# Altium PCB WiPy_Eval.PcbDoc (part 2 of 2) (continued)
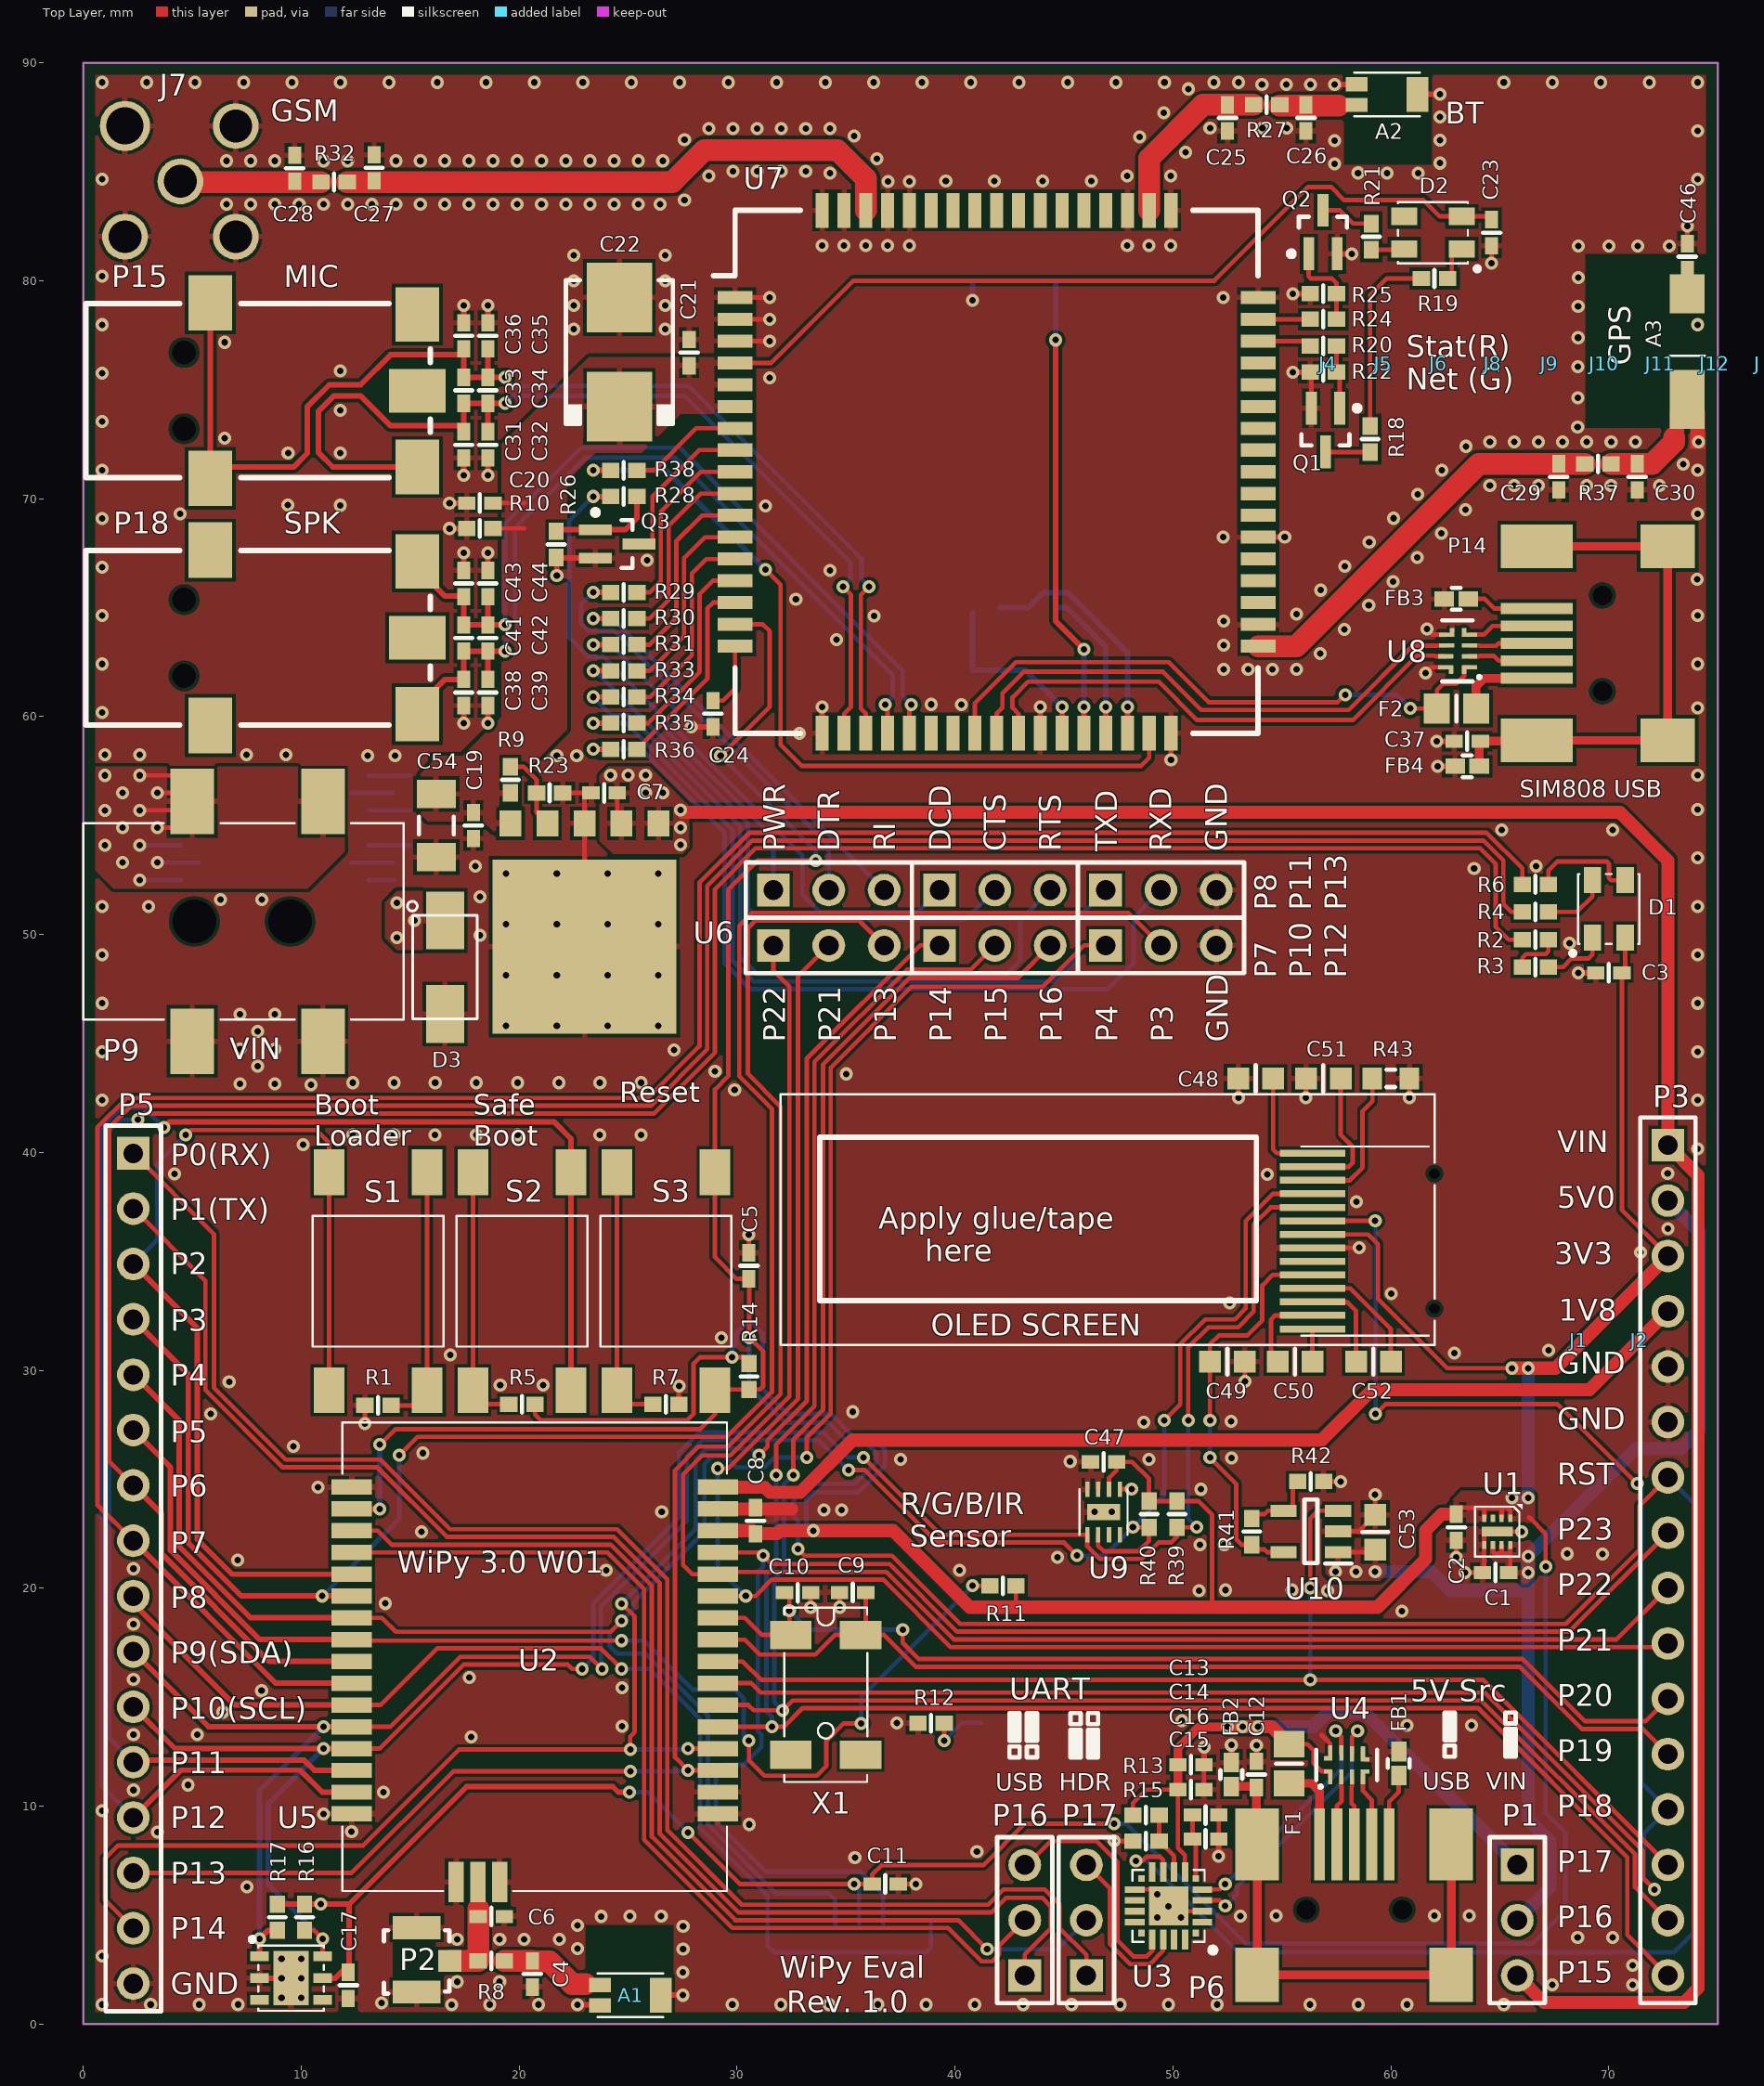
[diagram p0: Top Layer view]
## Nets (pads, with @x,y where several pads share a name; then routed paths per layer and width w, separated by ;. In a path a pad name is that pad's centre, name@x,y a point inside that pad or via, vN(x,y) a via of type N, cw(c..) or ccw(c..) an arc to the next point about the centre after c; other vN are vias at no path point) (continued)
NETLIGHT: R24.2 U7.50 | length 2.4
  Top Layer w0.203: U7.50@53.91,78.23 R24.2@56.3,78.23
NetP4_9: P4.9 R12.1 | length 2.9
  Top Layer w0.203: v1(39.5,13) R12.1@39.5,13.8
  Bottom Layer w0.203: v1(39.5,13) 40.325,13.825 P4.9@41.215,13.825
NetP6_4: P6.4 U4.4 | length 3.3
  Top Layer w0.203: U4.4@58.72,11.348 58.72,10.698 59.12,10.298 P6.4@59.12,8.258
NetP8_1: P8.1 R28.2 | length 23.6
  Top Layer w0.254: v1(23.4,70.1) R28.2@24.2,70.1
  Bottom Layer w0.203: v1(23.4,70.1) 22.3,69 22.3,63.617 23.171,62.746 23.854,62.746 26.8,59.8 26.8,59.312 31.67,54.441 P8.1@31.67,52.04
NetP8_2: P8.2 R29.2 | length 20.1
  Top Layer w0.254: v1(23.4,65.7) R29.2@24.2,65.7
  Bottom Layer w0.203: v1(23.4,65.7) 22.846,65.146 22.846,64.271 23.171,63.946 24.341,63.946 34.21,54.077 P8.2@34.21,52.04
NetP8_3: P8.3 R30.2 | length 19.3
  Top Layer w0.254: v1(23.4,64.5) R30.2@24.2,64.5
  Bottom Layer w0.203: v1(23.4,64.5) 24.29,64.5 P8.3@36.75,52.04
NetP11_1: P11.1 R31.2 | length 23.7
  Top Layer w0.254: v1(23.4,63.3) R31.2@24.2,63.3
  Bottom Layer w0.203: v1(23.4,63.3) 24.2,63.3 27.2,60.3 27.2,59.414 33,53.614 33,51.83 33.794,51.036 38.286,51.036 P11.1@39.29,52.04
NetP11_2: P11.2 R33.2 | length 26.8
  Top Layer w0.254: v1(23.4,62.1) R33.2@24.2,62.1
  Bottom Layer w0.203: v1(23.4,62.1) 23.509,62.1 30.5,55.109 30.5,51.185 31.005,50.68 40.47,50.68 P11.2@41.83,52.04
NetP11_3: P11.3 R34.2 | length 33.2
  Top Layer w0.254: v1(23.4,60.9) R34.2@24.2,60.9
  Bottom Layer w0.203: v1(23.4,60.9) 24.244,60.056 25.05,60.056 30.144,54.961 30.144,48.96 30.905,48.2 42.4,48.2 43,48.8 43,50.67 P11.3@44.37,52.04
NetP13_1: P13.1 R35.2 | length 35.5
  Top Layer w0.254: v1(23.4,59.7) R35.2@24.2,59.7
  Bottom Layer w0.203: v1(23.4,59.7) 24.903,59.7 29.789,54.814 29.789,48.813 30.757,47.844 44.544,47.844 45.6,48.9 45.6,50.73 P13.1@46.91,52.04
NetP13_2: P13.2 R36.2 | length 38
  Top Layer w0.254: v1(23.4,58.5) R36.2@24.2,58.5
  Bottom Layer w0.203: v1(23.4,58.5) 25.6,58.5 29.433,54.667 29.433,48.666 30.61,47.489 46.989,47.489 48.2,48.7 48.2,50.79 P13.2@49.45,52.04
NetP14_4: P14.4 U8.4 | length 3.3
  Top Layer w0.203: U8.4@63.61,63.76 64.26,63.76 64.66,64.16 P14.4@66.7,64.16
NetQ1_1: Q1.1 R20.1 R22.2 | length 2.9
  Top Layer w0.203: R20.1@57.5,77 R22.2@57.5,75.8 57.65,75.65 Q1.1@57.65,74.15
NetQ1_3: Q1.3 R18.2 | length 2.1
  Top Layer w0.203: Q1.3@57,72.15 57.02,72.13 R18.2@59.05,72.13
NetQ2_1: Q2.1 R24.1 R25.2 | length 4.1
  Top Layer w0.203: Q2.1@56.23,81.237 56.23,80.2 56.33,80.1 57.3,80.1 57.5,79.9 R25.2@57.5,79.4 R24.1@57.5,78.23
NetQ2_3: Q2.3 R21.2 | length 2.5
  Top Layer w0.203: Q2.3@56.88,83.237 57.65,83.237 58.267,82.62 R21.2@59.1,82.62
NetQ3_1: Q3.1 R26.1 R28.1 | length 4.9
  Top Layer w0.254: R26.1@21.7,68.5 21.77,68.57 24.87,68.57 25.4,69.1 R28.1@25.4,70.1
NetR1_1: R1.1 S1.1 | length 11.9
  Top Layer w0.203: R1.1@14.128,28.392 15.078,28.392 S1.1@15.778,29.092 S1.1@15.778,39.092
NetR2_1: R2.1 R3.2 | length 2.3
  Top Layer w0.203: R3.2@66.029,48.5 66.029,48.929 66.204,49.104 67.104,49.104 67.229,49.229 R2.1@67.229,49.764
NetR5_1: R5.1 S2.1 | length 11.9
  Top Layer w0.203: S2.1@17.882,39.092 S2.1@17.882,29.092 18.526,28.448 R5.1@19.532,28.448
NetR7_1: R7.1 S3.1 | length 11.9
  Top Layer w0.203: S3.1@24.486,39.092 S3.1@24.486,29.092 25.13,28.448 R7.1@26.136,28.448
NetR9_2: R9.2 R23.1 U6.4 | length 3.7
  Top Layer w0.203: R9.2@19.6,57.7 20.2,57.7 20.8,57.1 R23.1@20.8,56.5 20.8,55.6 U6.4@21.3,55.1
NetR13_1: R13.1 R15.2 U3.8 | length 2.9
  Top Layer w0.203: R13.1@49.363,9.598 R15.2@49.363,8.398 50.05,7.711 U3.8@50.05,6.981
NetR18_1: R18.1 R19.2 | length 8.7
  Top Layer w0.203: R18.1@59.05,73.33 59.05,79.35 59.8,80.1 R19.2@61.4,80.1
NetR38_1: R38.1 U7.7 | length 5.3
  Top Layer w0.203: R38.1@25.4,71.3 26.2,71.3 28.13,73.23 U7.7@29.91,73.23
NetR38_2: R38.2 U7.33 | length 37.5
  Top Layer w0.203: v1(31.3,66.748) 32,66.048 32,58.7 32.967,57.733 48.533,57.733 48.91,58.11 U7.33@48.91,59.23
  Top Layer w0.254: v1(23.4,71.3) R38.2@24.2,71.3
  Bottom Layer w0.254: v1(23.4,71.3) 26.748,71.3 v1(31.3,66.748)
NetR41_2: R41.2 R42.1 U10.4 | length 3.5
  Top Layer w0.203: R41.2@53.62,23.2 53.82,23.4 54.2,23.4 54.36,23.56 U10.4@55.08,23.56 55.5,23.56 55.5,24.68 R42.1@55.72,24.9
NetR43_1: "OLED SCREEN.12" R43.1 | length 6.8
  Top Layer w0.203: 56.4,38.72 58.12,38.72 58.7,39.3 58.7,41.9 59.15,42.35 R43.1@59.15,43.4
PWRKEY: Q3.3 U7.8 | length 6.8
  Top Layer w0.203: Q3.3@26.12,67.92 26.12,70.091 28.259,72.23 U7.8@29.91,72.23
R\E\S\E\T\: C5.2 P3.7 R14.1 S3.2 U2.2 U3.9 U7.16 | length 180.7
  Top Layer w0.203: v1(13.608,26.592) 14.316,27.3 28.3,27.3 28.986,27.986 S3.2@28.986,29.092 29.012,29.118 R14.1@30.546,29.118 31.045,29.118 31.2,29.273 31.2,30.859 v1(30.559,31.5) 30.559,34.185 C5.2@30.546,34.198 29.982,34.198 28.986,35.194 S3.2@28.986,39.092 28.986,42.886 29.6,43.5 29.6,52.055 30.945,53.4 v1(33.6,53.4) ; v1(29.25,58.202) 31.5,60.452 31.5,63.915 31.185,64.23 U7.16@29.91,64.23 ; v1(32.8,21.8) 33.1,21.5 37.109,21.5 40.242,18.367 68.024,18.367 71.4,21.743 71.4,23.78 P3.7@72.71,25.09 ; v1(48.3,7.5) 48.61,7.5 48.795,7.685 49.385,7.685 49.4,7.7 49.55,7.55 U3.9@49.55,6.981
  Top Layer w0.254: U2.2@12.315,23.645 v1(13.608,23.645)
  Bottom Layer w0.203: v1(29.25,58.202) 33.6,53.852 v1(33.6,53.4) ; v1(30.559,31.5) 30.559,29.241 32.2,27.6 34.192,27.6 35.2,26.592 36.008,26.592 36.4,26.2 36.4,25.8 35.4,24.8 33.346,24.8 32.6,24.054 32.6,23.3 32.8,23.1 v1(32.8,21.8) ; v1(48.3,7.5) 48.8,7.5 53,3.3 73,3.3 74.3,4.6 74.3,23.5 P3.7@72.71,25.09
  Bottom Layer w0.254: v1(13.608,23.645) v1(13.608,26.592)
RI: R30.1 U7.10 | length 8.9
  Top Layer w0.203: R30.1@25.4,64.5 26,64.5 26.86,65.36 26.86,68.76 28.33,70.23 U7.10@29.91,70.23
RTS: R34.1 U7.13 | length 9.3
  Top Layer w0.203: R34.1@25.4,60.9 26.004,60.9 27.926,62.822 27.926,66.571 28.585,67.23 U7.13@29.91,67.23
RXD: R36.1 U7.15 | length 9.2
  Top Layer w0.203: R36.1@25.4,58.5 28.638,61.738 28.638,64.96 28.908,65.23 U7.15@29.91,65.23
SAFE_BOOT: P5.13 S2.2 U2.15 | length 77.9
  Top Layer w0.254: P5.13@2.3,9.48 4.477,11.657 9.956,11.657 10.968,10.645 U2.15@12.315,10.645 ; v1(3.7,41.152) 3.956,41.408 21.6,41.408 22.382,40.626 S2.2@22.382,39.092 S2.2@22.382,29.092
  Bottom Layer w0.203: P5.13@2.3,9.48 0.844,10.936 0.844,41.147 1.751,42.054 2.798,42.054 v1(3.7,41.152)
SD_CD: P4.10 P5.6 R11.1 U2.8 | length 54.8
  Top Layer w0.203: U2.8@12.315,17.6 U2.8@12.36,17.6 ; U2.8@12.315,17.645 U2.8@12.36,17.6 ; v1(24.7,17.6) U2.8@12.36,17.6 ; v1(30.547,13.001) 30.547,12.101 31.248,11.4 33.653,11.4 34.1,11.847 34.1,13 34.9,13.8 v1(35.7,13.8) ; v1(40.8,20.116) R11.1@41.6,20.116
  Top Layer w0.254: P5.6@2.3,27.26 4.006,25.554 4.006,21.745 8.107,17.645 U2.8@12.315,17.645
  Bottom Layer w0.203: v1(24.7,17.6) 25.725,17.6 27.976,15.349 P4.10@29.912,15.349 30.3,14.961 30.3,13.247 v1(30.547,13.001) ; v1(35.7,13.8) 35.7,15 40.658,19.958 v1@40.658,20.258
SD_CMD: P4.3 P5.5 P12.1 U2.7 | length 98.8
  Top Layer w0.203: U2.7@12.315,18.645 13.706,18.645 14.351,18.001 24.201,18.001 v1(24.7,18.5) ; v1(33.2,26) 33.2,26.92 34.3,28.02 34.3,43.891 38.009,47.6 44.025,47.6 45.925,49.5 P12.1@46.91,49.5
  Top Layer w0.254: P5.5@2.3,29.8 4.413,27.687 4.413,21.914 7.681,18.645 U2.7@12.315,18.645
  Bottom Layer w0.203: v1(33.2,26) 31.7,26 31.246,25.546 29.966,25.546 29.458,26.054 28.854,26.054 28.5,25.7 28.5,22.6 25.254,19.354 25.254,19.054 v1(24.7,18.5) 24.146,17.946 24.146,17.354 24.5,17 25.803,17 28.665,14.138 28.665,9.138 31.803,6 34.21,6 34.5,5.71 P4.3@34.5,4.6
SD_DAT0: P4.7 P5.9 U2.11 | length 51.3
  Top Layer w0.203: U2.11@12.315,14.645 13.645,14.645 16.244,17.244 23.756,17.244 v1@24.668,16.332 ; v1(24.7,16.3) v1@24.9,16.3
  Top Layer w0.254: P5.9@2.3,19.64 2.3,19.3 6.955,14.645 U2.11@12.315,14.645
  Bottom Layer w0.203: v1(24.7,16.3) 26,16.3 28.309,13.991 28.309,8.991 31.4,5.9 31.4,3.6 31.7,3.3 38.7,3.3 38.9,3.5 P4.7@38.9,4.6
SD_SCLK: P3.8 P4.5 U2.32 | length 71.2
  Top Layer w0.203: U2.32@29.115,21.645 31.066,21.645 31.6,21.111 36.995,21.111 40.095,18.011 68.171,18.011 P3.8@72.71,22.55
  Bottom Layer w0.203: v1(31.2,21.5) 31.2,21.003 30.954,20.757 30.954,13.446 31.125,13.275 31.125,12.725 30.3,11.9 29.4,11.9 29.02,11.52 29.02,9.286 31.306,7 35.654,7 36.7,5.954 P4.5@36.7,4.6
SIM_CLK: J16.3 U7.31 | length 7
  Top Layer w0.254: U7.31@46.91,59.23 v1(46.91,60.447)
  Bottom Layer w0.254: J16.3@44.61,65.005 45.125,65.005 46.91,63.22 v1(46.91,60.447)
SIM_DATA: J16.8 U7.30 | length 21.3
  Top Layer w0.254: v1(44.61,77.28) 44.61,64.39 v1(45.91,63.09) ; U7.30@45.91,59.23 v1(45.91,60.447)
  Bottom Layer w0.254: v1(44.61,77.28) J16.8@44.61,79.945 ; v1(45.91,60.447) v1(45.91,63.09)
SIM_RST: J16.2 U7.32 | length 11
  Top Layer w0.254: U7.32@47.91,59.23 v1(47.91,60.447)
  Bottom Layer w0.254: J16.2@42.07,65.005 43.365,65.005 44.044,65.684 45.176,65.684 47.91,62.95 v1(47.91,60.447)
SIM_VDD: C40.2 J16.1 U7.29 | length 8.7
  Top Layer w0.254: U7.29@44.91,59.23 v1(44.91,60.447)
  Bottom Layer w0.254: J16.1@40.83,64.775 40.8,64.745 C40.2@40.8,62.13 43.227,62.13 v1(44.91,60.447)
SNS_SCL: "OLED SCREEN.10" P5.11 R16.2 R39.2 U2.13 U5.6 U9.5 | length 94.3
  Top Layer w0.2: R16.2@10.156,4.304 10.596,4.304 v1(10.986,3.914) U5.6@10.986,3.11
  Top Layer w0.203: U2.13@12.315,12.645 13.597,12.645 17.452,16.5 22.24,16.5 22.44,16.3 v1(22.9,16.3) ; v1(35.8,26) 39.344,22.456 46.064,22.456 U9.5@46.07,22.45 46.07,21.93 46.656,21.344 48.574,21.344 49.33,22.1 49.9,22.1 50.18,22.38 R39.2@50.18,22.8 v1(51.1,22.8) ; v1(50.7,27.7) 50.7,31.05 51.629,31.979 52.989,31.979 53.7,32.69 53.7,36.7 54.48,37.48 56.4,37.48
  Top Layer w0.254: P5.11@2.3,14.56 4.215,12.645 v1(11.022,12.645) U2.13@12.315,12.645
  Bottom Layer w0.203: v1(22.9,16.3) 23.401,16.801 23.401,19.304 27.336,23.239 27.336,26.23 28.262,27.156 33.95,27.156 35.106,26 v1(35.8,26) ; v1(50.7,27.7) 50.7,23.2 v1(51.1,22.8)
  Bottom Layer w0.254: v1(10.986,3.914) 8.492,6.408 8.492,10.115 v1(11.022,12.645)
SNS_SDA: "OLED SCREEN.11" P5.10 R17.2 R40.2 U2.12 U5.1 U9.6 | length 97.2
  Top Layer w0.203: U2.12@12.315,13.645 14.094,13.645 17.305,16.856 23.244,16.856 v1(23.8,16.3) ; v1(35.123,25.423) 35.874,25.423 39.197,22.1 45,22.1 v1(45.6,21.5) ; U9.6@46.57,22.45 46.57,21.95 46.82,21.7 48.427,21.7 48.9,22.173 R40.2@48.9,22.8 v1(48.163,22.8) ; v1(49.6,27.7) 50.339,28.439 50.339,31.199 51.48,32.34 52.84,32.34 53.339,32.839 53.339,36.849 54.59,38.1 56.4,38.1
  Top Layer w0.254: P5.10@2.3,17.1 5.755,13.645 v1(11.022,13.645) U2.12@12.315,13.645 ; U5.1@8.086,3.11 v1(8.086,3.914) 8.476,4.304 R17.2@8.901,4.304
  Bottom Layer w0.203: v1(23.8,16.3) 23.756,16.344 23.756,19.156 27.692,23.092 27.692,26.083 28.409,26.8 33.746,26.8 v1(35.123,25.423) ; v1(45.6,21.5) 46.863,21.5 v1(48.163,22.8) 49.6,24.237 v1(49.6,27.7)
  Bottom Layer w0.254: v1(8.086,3.914) 8.086,10.709 v1(11.022,13.645)
SPK_N: C41.1 C42.1 C43.2 C44.2 P18.2 U7.22 | length 39.1
  Top Layer w0.203: U7.22@37.91,59.23 37.91,60.47 v1(37.994,60.554)
  Top Layer w0.254: P18.2@15.33,67.115 15.33,66.8 16.605,65.525 C43.2@17.46,65.525 ; C43.2@17.46,65.505 C41.1@17.46,64.205 C42.1@18.56,64.205 ; C44.2@18.56,65.505 C42.1@18.56,64.205 ; v1(19.36,64.205) C42.1@18.56,64.205
  Bottom Layer w0.203: v1(19.36,64.205) 19.36,68.86 22.834,72.334 27.366,72.334 37.597,62.103 37.597,60.951 v1(37.994,60.554)
SPK_P: C38.1 C39.1 C41.2 C42.2 P18.3 U7.21 | length 39.1
  Top Layer w0.203: v1(36.794,60.554) 36.91,60.438 U7.21@36.91,59.23
  Top Layer w0.254: P18.3@15.33,60.115 15.33,60.43 16.605,61.705 C38.1@17.46,61.705 C41.2@17.46,63.005 C42.2@18.56,63.005 ; C39.1@18.56,61.705 C42.2@18.56,63.005 ; v1(19.36,63.005) C42.2@18.56,63.005
  Bottom Layer w0.203: v1(19.36,63.005) 19.36,63.422 19.914,63.976 19.914,64.434 19.817,64.531 19.817,68.671 23.023,71.877 27.177,71.877 37.14,61.913 37.14,60.9 v1(36.794,60.554)
STATUS: R20.2 U7.49 | length 2.5
  Top Layer w0.203: U7.49@53.91,77.23 56.07,77.23 R20.2@56.3,77
TX1: P5.4 P12.2 U2.6 | length 88.3
  Top Layer w0.203: v1(14.5,26.1) 15.344,26.944 29.536,26.944 31.6,29.009 31.6,42 30.1,43.5 30.1,50.4 30.7,51 47.95,51 P12.2@49.45,49.5
  Top Layer w0.254: P5.4@2.3,32.34 4.819,29.821 4.819,22.082 7.256,19.645 v1(10.968,19.645) U2.6@12.315,19.645
  Bottom Layer w0.203: v1(10.968,19.645) 14.5,23.177 v1(14.5,26.1)
TXD: R35.1 U7.14 | length 9.3
  Top Layer w0.203: R35.1@25.4,59.7 25.93,59.7 28.282,62.052 28.282,65.621 28.891,66.23 U7.14@29.91,66.23
USB_D_N: U3.5 U4.7 | length 11.7
  Top Layer w0.203: U3.5@51.35,6.181 52.15,6.181 v1(52.4,6.431) ; v1(57.47,13.448) 57.72,13.198 U4.7@57.72,12.398
  Bottom Layer w0.203: v1(52.4,6.431) 52.431,6.431 57.741,11.741 57.741,13.177 v1(57.47,13.448)
USB_D_P: U3.4 U4.6 | length 12.8
  Top Layer w0.203: U3.4@51.35,5.681 52.15,5.681 v1(52.4,5.431) ; U4.6@58.22,12.398 58.22,13.198 v1(58.47,13.448)
  Bottom Layer w0.203: v1(52.4,5.431) 52.935,5.966 52.935,6.289 58.199,11.552 58.199,13.177 v1(58.47,13.448)
USB_EXT_N: P6.2 U4.2 | length 3.2
  Top Layer w0.203: P6.2@57.52,8.258 57.52,10.01 57.741,10.231 57.741,10.875 57.72,10.896 U4.2@57.72,11.348
USB_EXT_P: P6.3 U4.3 | length 3.1
  Top Layer w0.203: U4.3@58.22,11.348 58.22,10.896 58.199,10.875 58.199,10.131 58.32,10.01 P6.3@58.32,8.258
USB_RX: P16.3 U3.17 | length 11.1
  Top Layer w0.203: P16.3@43.3,7.31 44.388,8.398 46.502,8.398 47.463,7.437 47.463,3.837 48.19,3.11 48.795,3.11 49.05,3.365 U3.17@49.05,3.881
USB_SIM2_N: P14.2 U8.2 | length 3.2
  Top Layer w0.203: U8.2@63.61,62.76 64.062,62.76 64.083,62.781 64.727,62.781 64.948,62.56 P14.2@66.7,62.56
USB_SIM2_P: P14.3 U8.3 | length 3.1
  Top Layer w0.203: U8.3@63.61,63.26 64.062,63.26 64.083,63.239 64.827,63.239 64.948,63.36 P14.3@66.7,63.36
USB_SIM_N: U7.27 U8.7 | length 23.9
  Top Layer w0.203: U7.27@42.91,59.23 42.91,60.132 42.639,60.403 42.639,60.889 43.35,61.6 49.353,61.6 51.111,59.843 58.249,59.843 61.207,62.8 62.018,62.8 62.058,62.76 U8.7@62.51,62.76
USB_SIM_P: U7.26 U8.6 | length 24.7
  Top Layer w0.203: U7.26@41.91,59.23 41.91,60.132 42.181,60.403 42.181,61.078 43.161,62.057 49.543,62.057 51.3,60.3 58.06,60.3 61.017,63.257 62.106,63.257 62.108,63.26 U8.6@62.56,63.26
USB_TX: P17.3 U3.18 | length 7.7
  Top Layer w0.203: P17.3@46.03,7.31 47.1,6.24 47.1,3.697 48.043,2.754 48.942,2.754 49.55,3.362 U3.18@49.55,3.881
USB_VP: F2.1 U7.25 U8.1 | length 27.5
  Top Layer w0.203: U7.25@40.91,59.23 40.91,60.61 42.8,62.5 49.8,62.5 51.644,60.656 57.556,60.656 v1(57.9,61) ; v1(60.895,60.37) F2.1@62.11,60.37 62.11,61.21 62.4,61.5 62.995,61.5 63.36,61.865 U8.1@63.36,62.16 63.36,62.26 U8.1@63.61,62.26
  Bottom Layer w0.203: v1(57.9,61) 60.265,61 v1(60.895,60.37)
VBAT: C19.2 C20.2 C21.2 C22.1 C23.2 C54.2 D2.4 R9.1 R10.1 U6.5 U7.4 U7.5 U7.6 | length 41.5
  Top Layer w0.203: C20.2@18.8,69.8 20.23,69.8 ; R10.1@18.81,68.63 20.24,68.63 ; U7.4@29.91,76.23 31.573,76.23 35.343,80 51.9,80 56.2,84.3 57.256,84.3 57.856,83.7 61.5,83.7 62.25,82.95 D2.4@63.25,82.95 64.47,82.95 C23.2@64.62,82.8
VBUS: C13.2 C14.2 F1.1 P1.1 R13.2 U3.7 U4.1 | length 34
  Top Layer w0.203: R13.2@48.163,9.598 48.163,10.153 48.773,10.763 C14.2@50.226,10.763 50.226,8.074 50.55,7.75 U3.7@50.55,6.981 ; F1.1@55.33,12.848 56.17,12.848 56.46,12.558 56.46,11.963 56.825,11.598 U4.1@57.12,11.598 57.22,11.598 U4.1@57.22,11.348
  Top Layer w0.4: C14.2@50.226,10.763 C13.2@50.226,11.906 50.226,12.676 51.195,13.645 v1(52.5,13.645)
  Top Layer w0.6: v1(52.5,13.645) v1(53.2,13.645) v1(53.9,13.645) 54.533,13.645 F1.1@55.33,12.848
  Bottom Layer w0.6: v1(52.5,13.645) v1(53.2,13.645) v1(53.9,13.645) 56.445,13.645 57.1,14.3 58.81,14.3 P1.1@65.8,7.31
VDD: C15.2 C16.2 U3.6 | length 2.9
  Top Layer w0.203: C16.2@50.9,9.6 C15.2@50.9,8.5 C15.2@50.95,8.45 ; U3.6@51.05,6.681 C15.2@51.05,8.45
VIN: C7.2 D3.2 F3.2 P1.3 P3.1 U6.1 U6.2 | length 119.9
  Top Layer w0.203: C7.2@24.5,56.5 24.5,55.3 U6.2@24.7,55.1
  Top Layer w0.6: v1(27.4,55.71) 27.51,55.6 70.507,55.6 72.71,53.397 P3.1@72.71,40.33 74.1,38.94 74.1,1.65 73.45,1 67.03,1 P1.3@65.8,2.23
  Bottom Layer w0.203: F3.2@12.3,53.3 14.2,53.3 ; F3.2@12.3,56.5 14.2,56.5 ; F3.2@13.1,52.5 14.3,52.5 ; F3.2@13.1,54.1 15,54.1 ; F3.2@13.1,55.7 15,55.7 ; F3.2@13.1,57.3 15,57.3
  other v1: 14.4,49.85 15.2,50.65 14.4,51.45 27.4,54.11 27.4,54.91 25.8,56.51 26.6,56.51 24.2,57.31 25,57.31 25.8,57.31
pads on no net: "OLED SCREEN.6" "OLED SCREEN.MH" D2.3 J16.4 J16.5 J16.6 J16.7 J16.9 P4.1 P4.2 P4.8 P4.MH P6.6 P9. P14.6 P15. P15.1 P15.2 P18. P18.1 P18.4 U1.3 U3.1 U3.2 U3.10 U3.11 U3.13 U3.14 U3.15 U3.16 U3.19 U3.20 U5.3 U5.4 U7.23 U7.24 U7.37 U7.38 U7.39 U7.41 U7.42 U7.43 U7.44 U7.45 U7.46 U7.47 U7.48 U7.55 U7.56 U7.57 U7.58 U7.59 U7.60 U7.61 U7.62 U7.63 U9.7 U9.8 X1.2 X1.3
copper on no net:
  other v1: 74.076,77.98

## Polygon pours and split planes (outlines as drawn)
GND on Top Layer "GND_L01_P026" (solid, remove dead copper, pour order 26): 0,90 0,0 75,0 75,90
no net on Top Layer "Top Layer-No Net" (solid, pour order 20): 47,26.1
5V0 on Top Layer "5V0_L01_P018" (solid, remove dead copper, pour order 18): 57,21.95 57.35,22.3 59.7,22.3 59.8,22.2 59.8,20.64 59.5,20.34 57.34,20.34 57,20.68
3V3 on Top Layer "3V3_L01_P016" (solid, remove dead copper, pour order 16): 66.4,23 66.6,23.2 66.6,24.28 66.4,24.48 63.25,24.48 62.7,23.93 62.7,23
5V0 on Top Layer "5V0_L01_P014" (solid, remove dead copper, pour order 14): 64.5,22.2 64.5,21.46 64.8,21.16 64.8,20.48 65.08,20.2 66.247,20.2 66.6,20.553 66.6,21.99 66.39,22.2
VIN on Top Layer "VIN_L01_P012" (solid, remove dead copper, pour order 12): 26,57.7 27.8,55.9 27.8,54 27.5,53.7 24.3,53.7 23.7,54.3 23.7,57.3 24.1,57.7
VIN on Top Layer "VIN_L01_P008" (solid, remove dead copper, pour order 8): 17.4,49.3 14.4,49.3 13.858,49.842 13.858,51.458 14.4,52 14.6,52 17.3,52 17.4,51.9
VBAT on Top Layer "VBAT_L01_P006" (solid, remove dead copper, pour order 6): 26.12,72.6 27.42,73.9 30.39,73.9 30.7,74.21 30.7,76.28 30.48,76.5 23.2,76.5 22.5,75.8 22.5,73.05 22.95,72.6
VBAT on Top Layer "VBAT_L01_P004" (solid, remove dead copper, pour order 4): 15.3,55.7 15.8,55.2 18.348,55.2 19.1,54.448 19.152,54.5 20.1,54.5 20.1,57.3 22.2,59.4 22.2,70.8 23.5,72.1 25.62,72.1 26.12,72.6 26.1,72.62 26.1,75.8 22.5,75.8 19.2,72.5 19.2,60 17.4,58.2 16,58.2 16,57.9 15.3,57.2
NetD3_2 on Top Layer "NETD3_2_L01_P000" (solid, remove dead copper, pour order 0): 12,57.7 12,53.8 10.3,52.1 1.4,52.1 0.5,53 0.5,57.7
GND on Bottom Layer "GND_L02_P028" (solid, remove dead copper, pour order 28): 0,90 0,0 75,0 75,90
5V0 on Bottom Layer "5V0_L02_P022" (solid, remove dead copper, pour order 22): 57,20.9 57,20.6 57.2,20.4 59.5,20.4 59.7,20.6 59.7,20.9 59.5,21.1 57.2,21.1
VIN on Bottom Layer "VIN_L02_P010" (solid, remove dead copper, pour order 10): 11.4,57.7 11.4,52.6 11.9,52.1 13.3,52.1 13.858,51.542 13.858,49.842 14.4,49.3 15.1,49.3 15.586,49.786 15.6,52.1 17.2,53.7 27.484,53.7 27.8,54.016 27.8,55.9 26,57.7
NetD3_2 on Bottom Layer "NETD3_2_L02_P002" (solid, remove dead copper, pour order 2): 0.5,57.7 5.8,57.7 6.2,57.3 6.2,53.04 6.14,53.04 5.2,52.1 1.4,52.1 0.5,53

## Keep-outs
Keep-Out Layer:
  the board outline again, w0.1

## Other copper
Top Layer:
  region net NetA3_1: 72.8,74 73.45,74 73.45,72.7 72.8,72.7
  region net GND: 74.4,74 73.75,74 73.75,72.3 74.4,72.3
Bottom Layer:
  pour cut-out: 22.629,5.588
  pour cut-out: 32.583,15.76 32.583,13.855 35.083,13.855 35.083,15.76
  pour cut-out: 29.533,11.569 29.533,9.664 38.033,9.664 38.033,11.569
Multi-Layer:
  pour cut-out: 74.9,73.23 68.9,73.231 68.9,81.229 74.9,81.237
  pour cut-out: 61.9,85.311 57.836,85.312 57.836,90.863 61.9,90.869
  pour cut-out: 23.027,4.557 27.091,4.556 27.091,-0.996 23.027,-1.001

## Silkscreen, mask and mechanical layers (free items; w line width, h text height)
Top Overlay:
  region: 65.257,12.271 65.727,12.271 65.727,13.541 65.257,13.541
  region: 62.463,14.303 62.933,14.303 62.933,13.033 62.463,13.033
  region: 42.498,14.27 42.968,14.27 42.968,13 42.498,13
  region: 43.298,14.27 43.768,14.27 43.768,13 43.298,13
  region: 46.095,12.238 46.565,12.238 46.565,13.508 46.095,13.508
  region: 45.295,12.238 45.765,12.238 45.765,13.508 45.295,13.508
  lines w0.2: 42.498,12.238 42.498,12.746 42.968,12.746 42.968,12.238 42.498,12.238 ; 42.498,13 42.968,13 42.968,14.27 42.498,14.27 42.498,13 ; 43.298,12.238 43.768,12.238 43.768,12.746 43.298,12.746 43.298,12.238 ; 43.298,13 43.298,14.27 43.768,14.27 43.768,13 43.298,13 ; 45.295,12.238 45.295,13.508 45.765,13.508 45.765,12.238 45.295,12.238 ; 45.295,13.762 45.765,13.762 45.765,14.27 45.295,14.27 45.295,13.762 ; 46.095,12.238 46.565,12.238 46.565,13.508 46.095,13.508 46.095,12.238 ; 46.095,13.762 46.095,14.27 46.565,14.27 46.565,13.762 46.095,13.762 ; 62.463,12.271 62.933,12.271 62.933,12.779 62.463,12.779 62.463,12.271 ; 62.463,13.033 62.463,14.303 62.933,14.303 62.933,13.033 62.463,13.033 ; 65.257,12.271 65.727,12.271 65.727,13.541 65.257,13.541 65.257,12.271 ; 65.257,13.795 65.257,14.303 65.727,14.303 65.727,13.795 65.257,13.795
  lines w0.25: 33.8,33.2 53.83,33.2 53.83,40.7 33.8,40.7 33.8,33.2
  text "GSM" at 8.6,87.3 h1
  text "BT" at 62.5,87.2 h1
  text "MIC" at 9.2,79.7 h1
  text "GPS" at 71,76.1 h1 r90
  text "Stat(R) / Net (G)" at 60.7,75 h1
  text "SPK" at 9.2,68.4 h1
  text "SIM808 USB" at 65.9,56.3 h0.8
  text "PWR" at 32.21,53.8 h1 r90
  text "DTR" at 34.71,53.8 h1 r90
  text "RI" at 37.25,53.8 h1 r90
  text "DCD" at 39.82,53.8 h1 r90
  text "CTS" at 42.32,53.8 h1 r90
  text "RTS" at 44.86,53.8 h1 r90
  text "TXD" at 47.44,53.8 h1 r90
  text "RXD" at 49.94,53.8 h1 r90
  text "GND" at 52.48,53.8 h1 r90
  text "P22" at 32.21,45.06 h1 r90
  text "P21" at 34.75,45.06 h1 r90
  text "P13" at 37.29,45.06 h1 r90
  text "P14" at 39.83,45.06 h1 r90
  text "P15" at 42.37,45.06 h1 r90
  text "P16" at 44.91,45.06 h1 r90
  text "P4" at 47.45,45.06 h1 r90
  text "P3" at 49.99,45.06 h1 r90
  text "GND" at 52.53,45.06 h1 r90
  text "VIN" at 6.72,44.27 h1
  text "Reset" at 24.6,42.3 h0.95
  text "Boot / Loader" at 10.6,40.3 h0.95
  text "Safe / Boot" at 17.9,40.3 h0.95
  text "VIN" at 67.62,40 h1
  text "P0(RX)" at 4,39.4 h1
  text "5V0" at 67.62,37.46 h1
  text "P1(TX)" at 4,36.9 h1
  text "Apply glue/tape /      here" at 36.5,35 h1
  text "3V3" at 67.51,34.88 h1
  text "P2" at 4,34.4 h1
  text "1V8" at 67.69,32.28 h1
  text "P3" at 4,31.8 h1
  text "GND" at 67.62,29.84 h1
  text "P4" at 4,29.3 h1
  text "GND" at 67.62,27.3 h1
  text "P5" at 4,26.7 h1
  text "RST" at 67.62,24.76 h1
  text "P6" at 4,24.2 h1
  text "P23" at 67.62,22.22 h1
  text "R/G/B/IR /  Sensor" at 37.5,21.9 h1
  text "P7" at 4,21.6 h1
  text "WiPy 3.0 W01" at 14.4,20.7 h1
  text "P22" at 67.62,19.68 h1
  text "P8" at 4,19.1 h1
  text "P21" at 67.62,17.14 h1
  text "P9(SDA)" at 4,16.554 h1
  text "UART" at 42.5,14.9 h1
  text "5V Src" at 60.91,14.8 h1
  text "P20" at 67.62,14.6 h1
  text "P10(SCL)" at 4,14 h1
  text "P19" at 67.62,12.06 h1
  text "P11" at 4,11.5 h1
  text "USB" at 61.447,10.763 h0.8
  text "VIN" at 64.368,10.763 h0.8
  text "USB" at 41.863,10.714 h0.8
  text "HDR" at 44.784,10.714 h0.8
  text "P18" at 67.62,9.52 h1
  text "P12" at 4,9 h1
  text "P17" at 67.62,6.98 h1
  text "P13" at 4,6.439 h1
  text "P16" at 67.62,4.44 h1
  text "P14" at 4,3.9 h1
  text "WiPy Eval" at 31.963,2.123 h1
  text "P15" at 67.62,1.9 h1
  text "GND" at 4,1.359 h1
  text "Rev. 1.0" at 32.27,0.53 h1
Bottom Overlay:
  text "SSID: wipy-wlan-XXXX" at 25.429,15 h1
  text "PASS: www.pycom.io" at 25.429,13 h1
  text "Telnet port 23" at 25.429,10 h1
  text "FTP un-encrypted" at 25.43,8.1 h1
  text "User: micro" at 25.43,6.1 h1
  text "A" at 66.5,4.9 h60
  text "Pass: python" at 25.43,4.5 h1
PCB Outline:
  the board outline again, w0.1

## Dimensions
0,90 to 75,90 on PCB Dimension
0,0 to 0,90 on PCB Dimension

## Text inside footprints (layer, text, board x,y; h text height)
"OLED SCREEN": Mechanical 1 "Active Area 0.91\"" at 37.604,37.107 h1